# Altium PCB uz_mz_adapter.PcbDoc (part 1 of 2)
Units mm, origin at the board's own origin, x right, y up, seen from the top; angles counter-clockwise.
Board outline 188 x 149.6 mm, 4 copper layers (Top Layer, L02_GND, Signal, Bottom Layer), stack 0.849 mm thick; 41 components, 175 nets, 808 pads, 287 vias.
Unrouted connection lines stored in the file: 183.
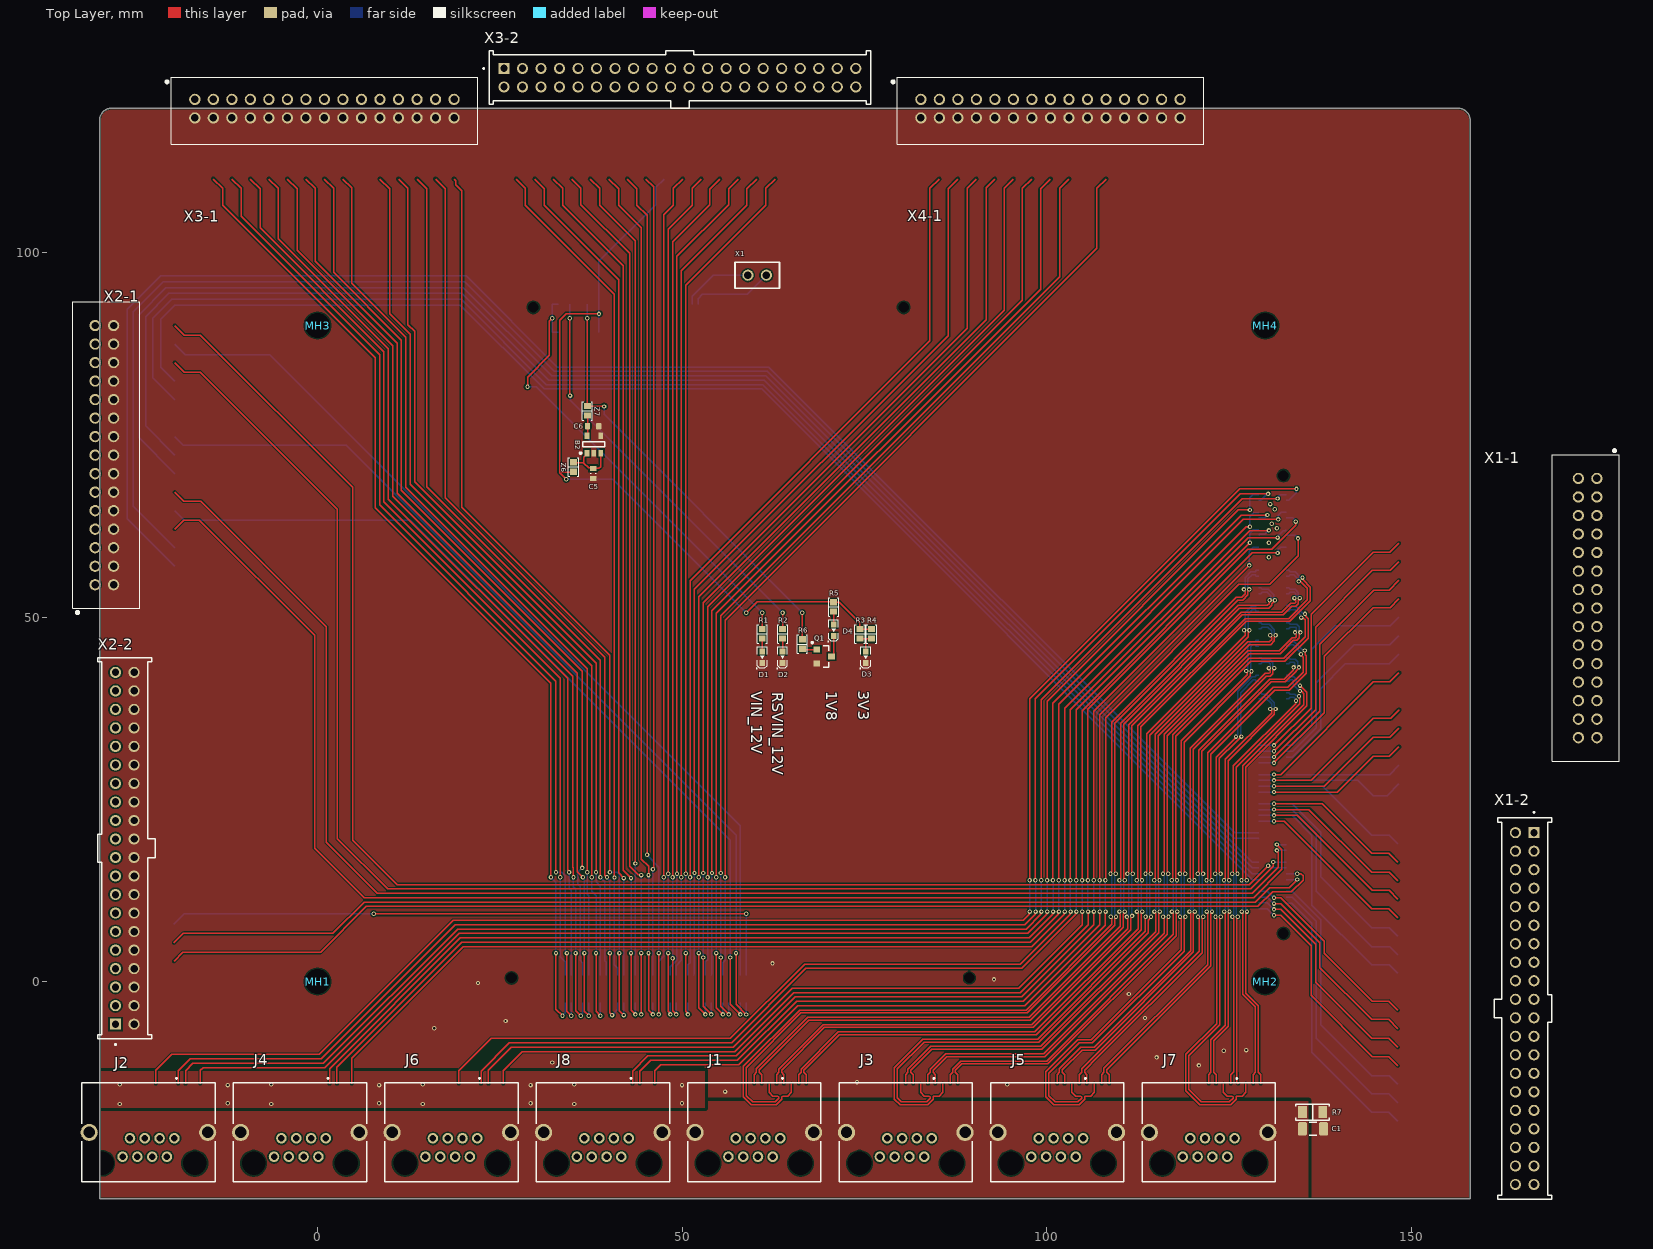
[diagram p0: Top Layer view]
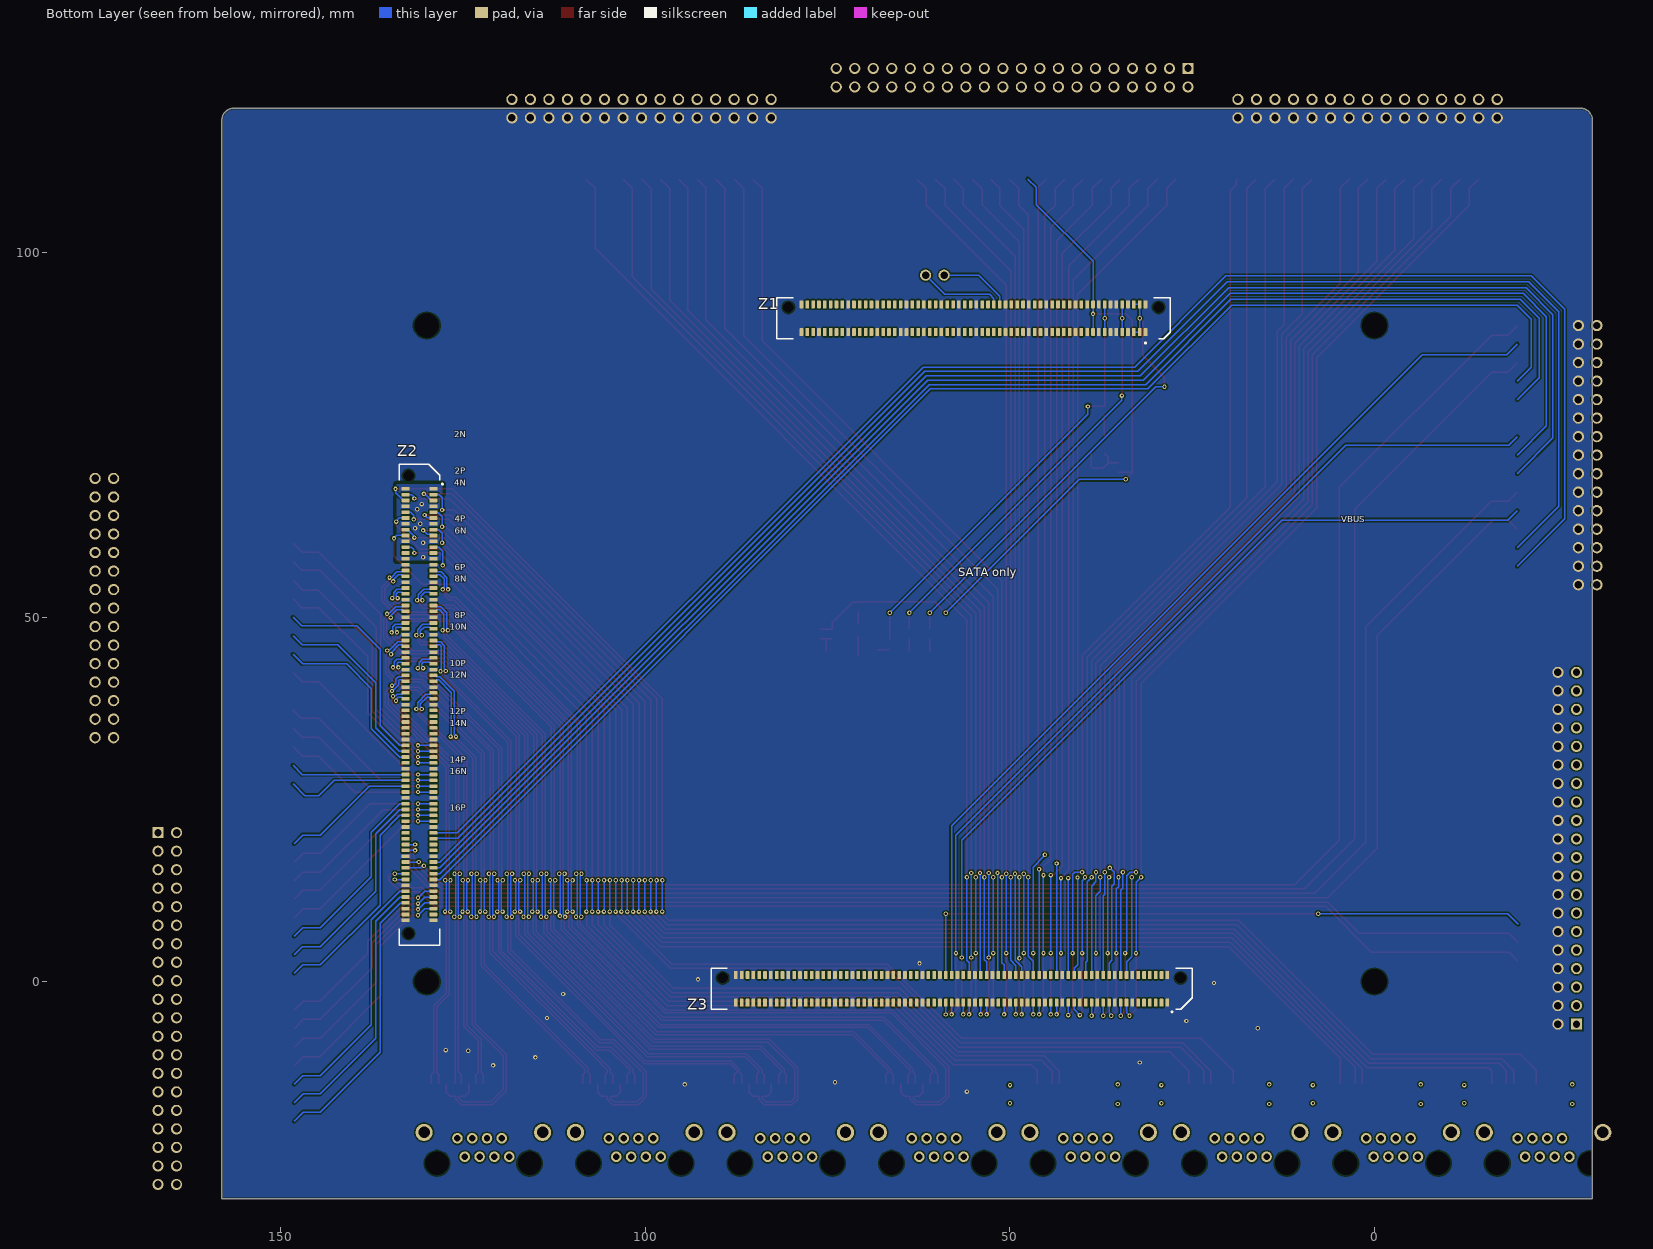
[diagram p1: Bottom Layer view, seen from below]
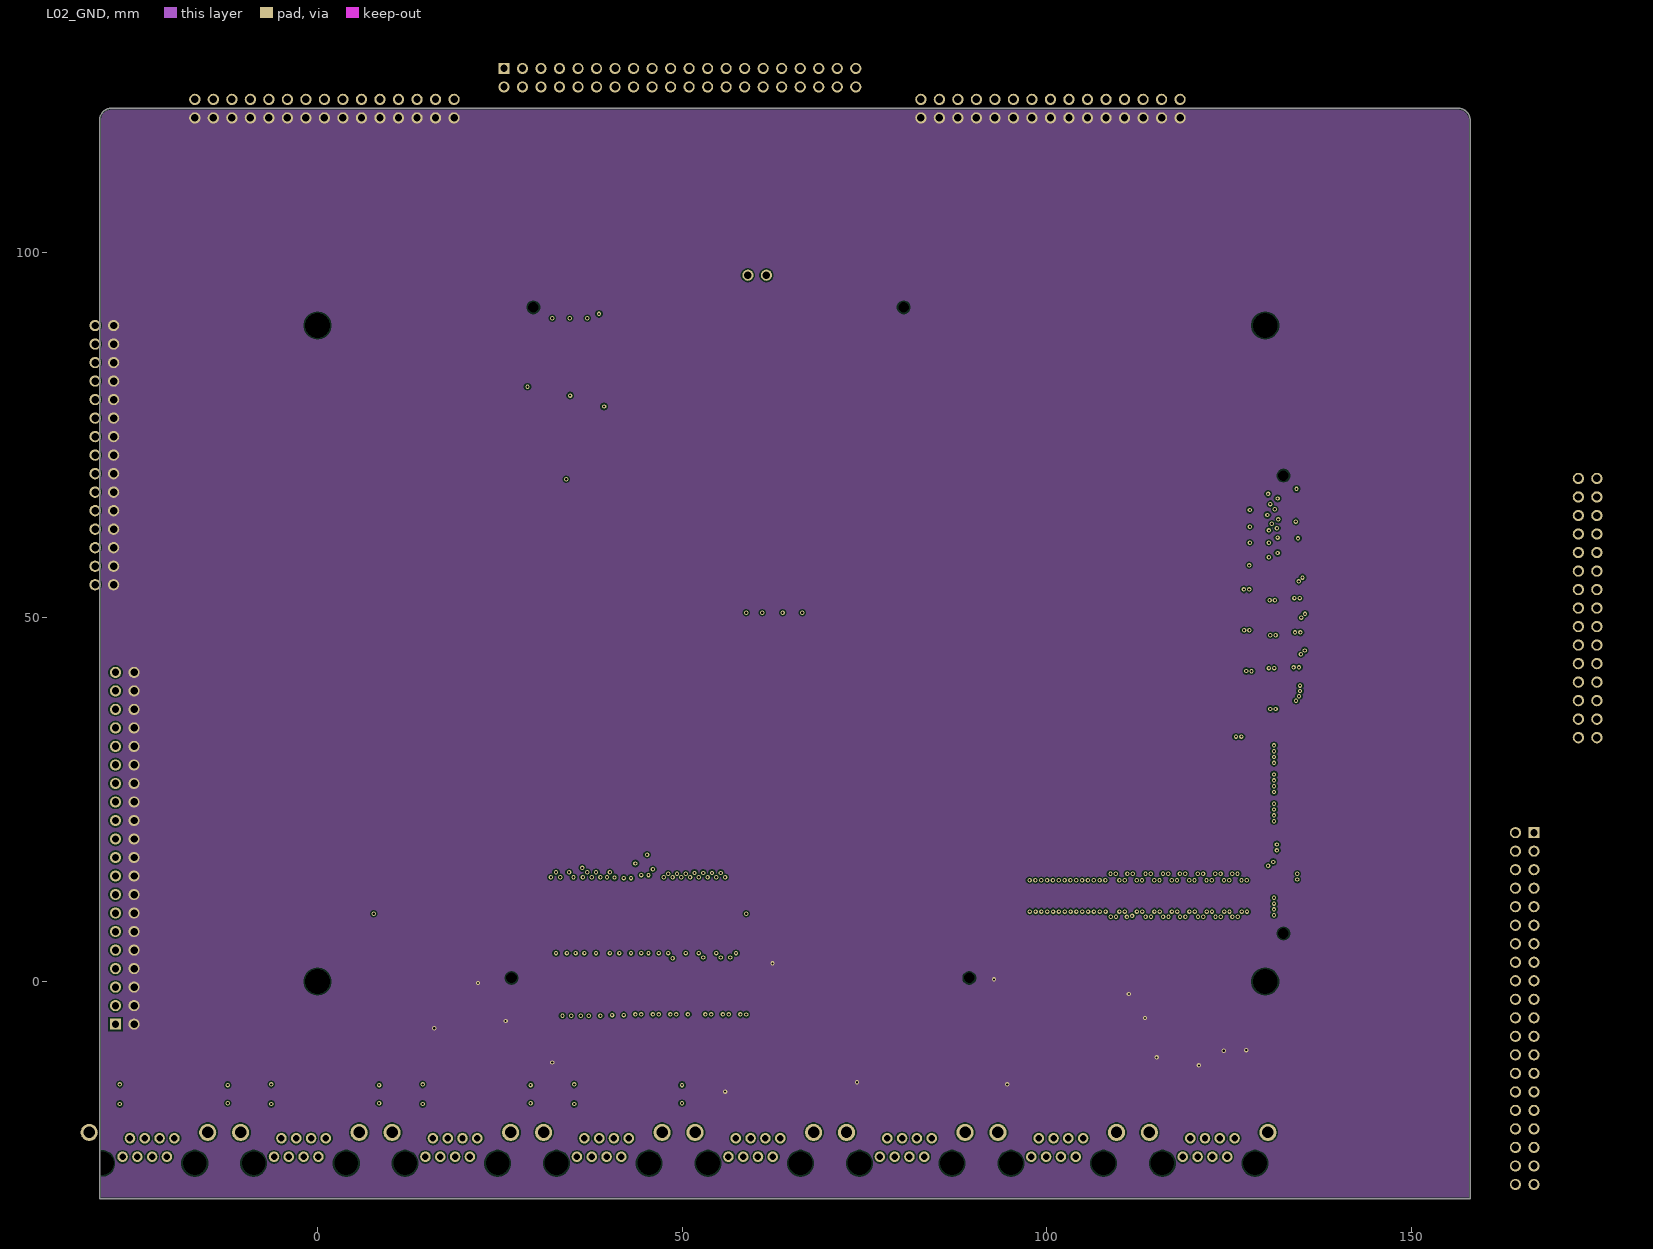
[diagram p2: L02_GND]
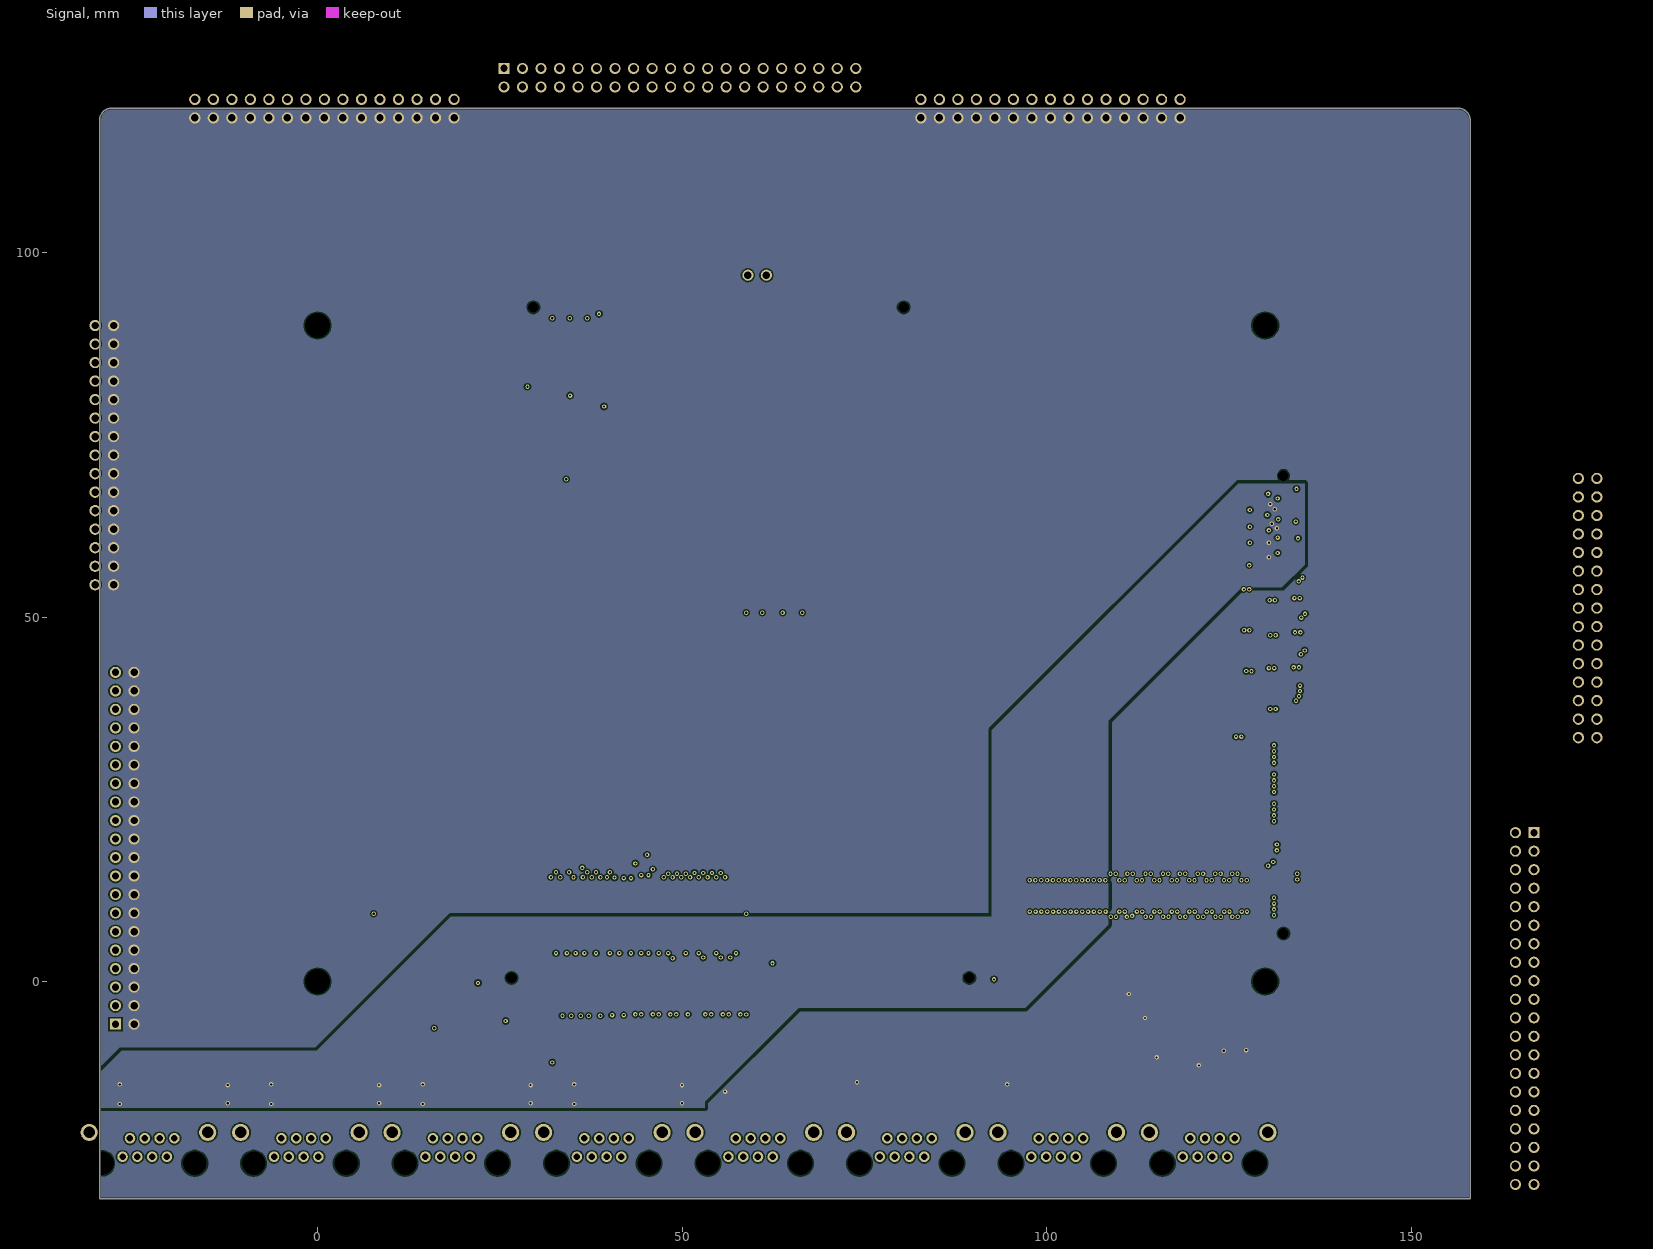
[diagram p3: Signal]
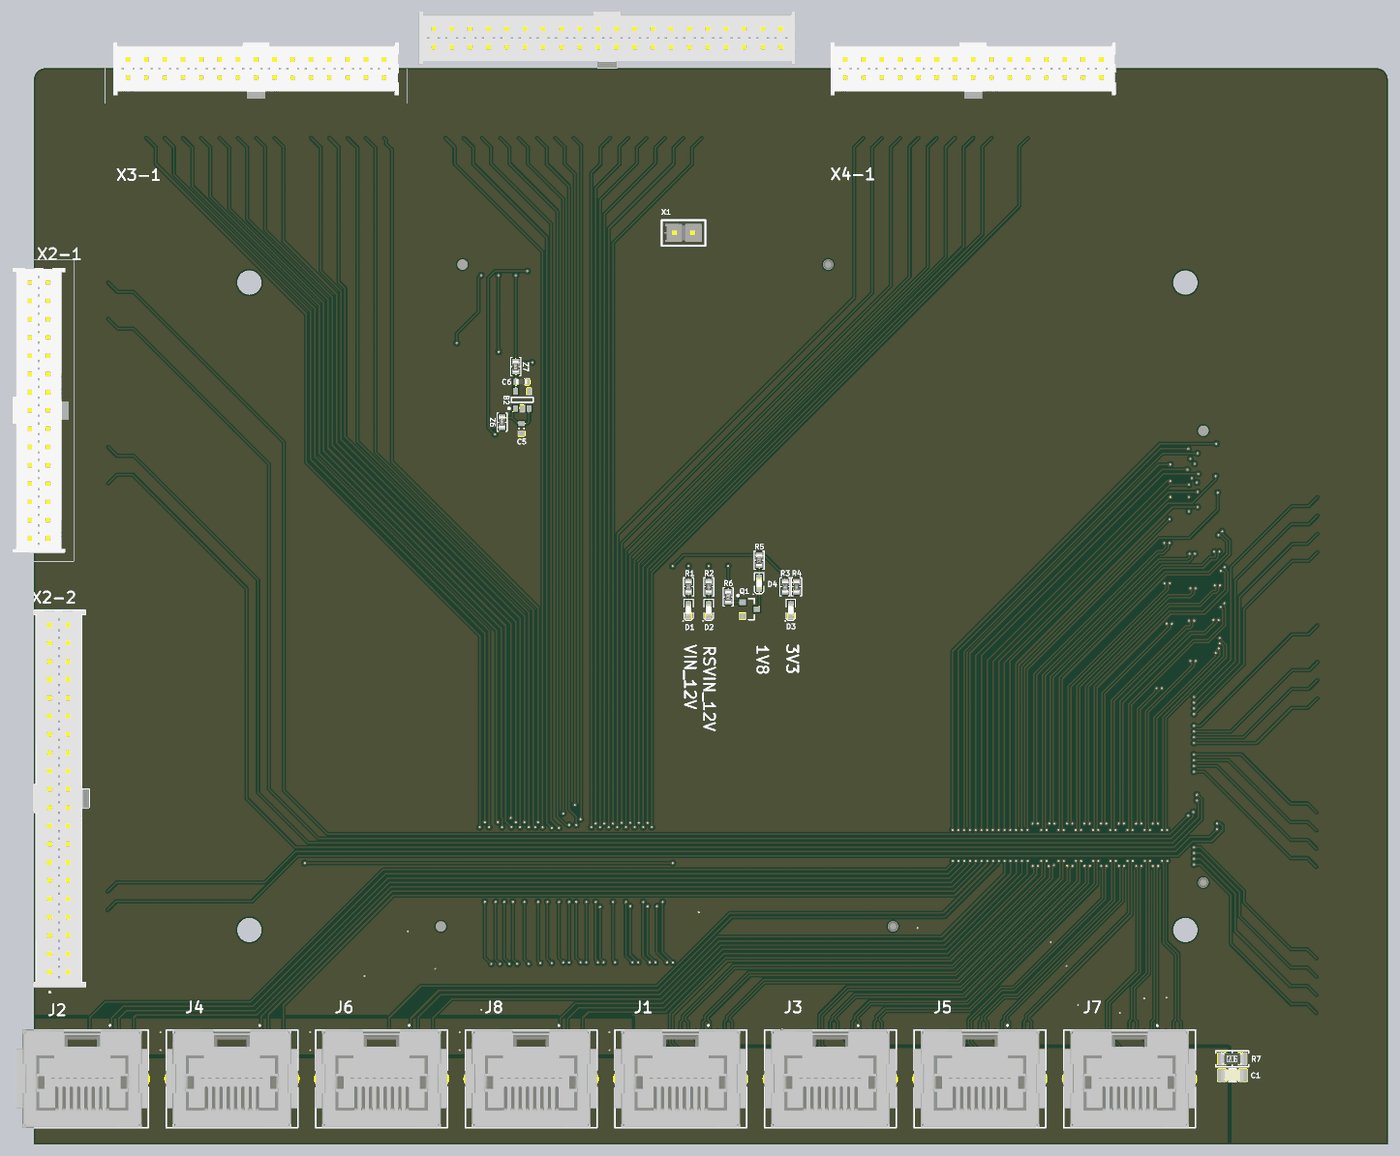
[diagram p5: 3D render of the assembled board from above, using the file's embedded part models]
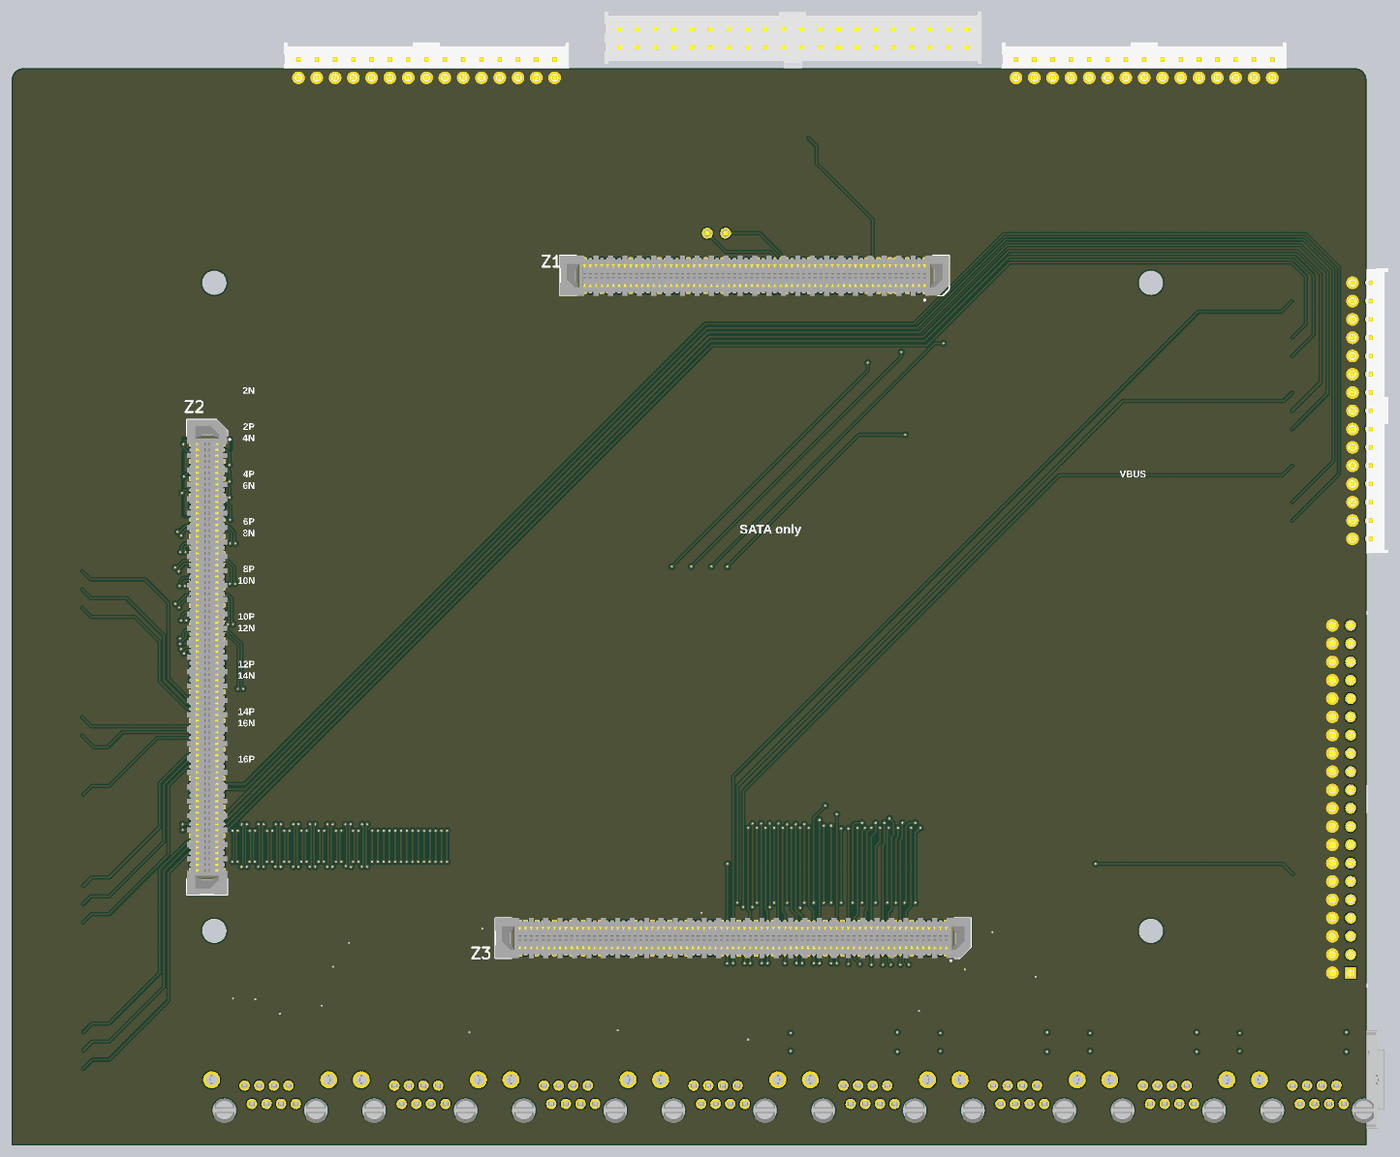
[diagram p6: 3D render of the assembled board from below, using the file's embedded part models]

## Layer stack, top to bottom
Top Solder: solder mask 0.02, Solder Resist, Dk 3.8
Top Layer: signal copper 0.035
Dielectric 1: prepreg 0.0994, FR-4, Dk 4.05
L02_GND: signal copper 0.0152
Dielectric 2: core 0.55, FR-4, Dk 4.5
Signal: signal copper 0.0152
Dielectric 3: prepreg 0.0994, FR-4, Dk 4.05
Bottom Layer: signal copper 0.035
Bottom Solder: solder mask 0.02, Solder Resist, Dk 3.8

## Board outline
-29.9,-29.8 -29.9,118.2 cw(c-28.3,118.2) -28.3,119.8 156.5,119.8 cw(c156.5,118.2) 158.1,118.2 158.1,-29.8

## Design rules (kind name [scope] priority, off if disabled: settings)
BoardOutlineClearance BoardOutlineClearanceOverlay [HasFootprint('DSUB1.385-2H9')] p1: gap=0 ignorepadtopadclearanceinfootprint=FALSE
BoardOutlineClearance [All] p2: gap=0.2 ignorepadtopadclearanceinfootprint=FALSE except(0.4: Arc-SplitBarrior Arc-SplitContinuation Track-SplitBarrior Track-SplitContinuation SMDPad-SplitBarrior SMDPad-SplitContinuation THPad-SplitBarrior THPad-SplitContinuation Via-SplitBarrior Via-SplitContinuation Fill-SplitBarrior Fill-SplitContinuation Poly-SplitBarrior Poly-SplitContinuation Region-SplitBarrior Region-SplitContinuation Text-SplitBarrior Text-SplitContinuation)
Clearance "Clearance Top Layer" [(OnLayer('Top Copper'))] p1: gap=0.2 ignorepadtopadclearanceinfootprint=TRUE except(0.15: Arc-SMDPad Track-SMDPad; 0.254: Arc-Text Track-Text SMDPad-Text THPad-Text Via-Text Fill-Text Poly-Text Region-Text Text-Text)
Clearance "Clearance Bot Layer" [(OnLayer('Bottom Copper'))] p2: gap=0.2 ignorepadtopadclearanceinfootprint=TRUE except(0.15: Arc-SMDPad Track-SMDPad; 0.254: Arc-Text Track-Text SMDPad-Text THPad-Text Via-Text Fill-Text Poly-Text Region-Text Text-Text)
Clearance Clearance_ZB2 [InNetClass('ZB2_Signals') vs InNetClass('All Nets')] p3: gap=0.2 ignorepadtopadclearanceinfootprint=TRUE except(0.089: Arc-SMDPad Track-SMDPad SMDPad-SMDPad; 0.127: Arc-Via Track-Via SMDPad-Via THPad-Via Via-Via; 0.254: Arc-Text Track-Text SMDPad-Text THPad-Text Via-Text Fill-Text Poly-Text Region-Text Text-Text; 0.5: Fill-Fill Fill-Poly Fill-Region Poly-Poly Poly-Region Region-Region)
Clearance [All] p4: gap=0.2 ignorepadtopadclearanceinfootprint=TRUE except(0.089: Arc-SMDPad Track-SMDPad SMDPad-SMDPad; 0.1: Arc-Arc Arc-Track Track-Track; 0.127: Arc-Via Track-Via SMDPad-Via THPad-Via Via-Via; 0.254: Arc-Text Track-Text SMDPad-Text THPad-Text Via-Text Fill-Text Poly-Text Region-Text Text-Text; 0.5: Fill-Fill Fill-Poly Fill-Region Poly-Poly Poly-Region Region-Region)
ComponentClearance ComponentClearance_Q2,Q3,U8 [InComponent('Q2*') Or InComponent('Q3*') Or InComponent('U8*')] p1: gap=0 collisioncheckmode=3 verticalgap=0.254 showdistances=FALSE
ComponentClearance [All] p2: gap=0.254 collisioncheckmode=3 verticalgap=0.254 showdistances=FALSE
DiffPairsRouting [All] p1: maxlimit=0.254 minlimit=0.2 mostfreqgap=0.2 toplayer_minwidth=0.09 toplayer_maxwidth=0.381 toplayer_prefwidth=0.2 midlayer1_minwidth=0.09 midlayer1_maxwidth=0.381 midlayer1_prefwidth=0.2 midlayer4_minwidth=0.09 midlayer4_maxwidth=0.381 midlayer4_prefwidth=0.2 bottomlayer_minwidth=0.09 bottomlayer_maxwidth=0.381 bottomlayer_prefwidth=0.2 maxuncoupledlength=12.7
HoleSize [All] p1: absolutevalues=TRUE maxlimit=6.3 minlimit=0.2 maxpercent=80.000 minpercent=20.000
MinimumAnnularRing [All] p1: minimumring=0.076
MinimumSolderMaskSliver [All] p1: minsoldermaskwidth=0.1
PolygonConnect HighCurrent_Direct [All] p1: connectstyle=Direct reliefconductorwidth=0.508 reliefentries=4 polygonreliefangle="90 Angle" airgapwidth=0.254
PolygonConnect [All] p2: connectstyle=Relief reliefconductorwidth=0.254 reliefentries=4 polygonreliefangle="90 Angle" airgapwidth=0.254
ReturnPath [All] p1: impedanceprofileid={16A8D577-BE97-4DEF-9C1B-C9D3CE01CF74} _gaplimit=0 _useantipads=TRUE
RoutingCorners [All] p1: cornerstyle=Round minsetback=2.54 maxsetback=2.54
RoutingVias [All] p1: holewidth=0.5 width=1 viastyle="Through Hole" minholewidth=0.2 minwidth=0.45 maxholewidth=1 maxwidth=2
SilkToSilkClearance [All] p1: silktosilkclearance=0.1
SilkToSolderMaskClearance [IsPad] p1: minsilkscreentomaskgap=0.15 clearancetoexposedcopper=TRUE
SolderMaskExpansion SolderMaskExpansion_Via [IsVia] p1: expansion=0.102 istentingtop=TRUE
SolderMaskExpansion [All] p2: expansion=0.102 istentingtop=FALSE
SupplyNets "Schematic Supply Nets_2" [InNet('24V_unused2')] p1: voltage=0.000
SupplyNets "Schematic Supply Nets_1" [InNet('3V3_unused1')] p2: voltage=0.000
SupplyNets "Schematic Supply Nets" [InNet('3V3_unused2')] p3: voltage=0.000
SupplyNets "Schematic Supply Nets_30" [InNet('5V_unused1')] p4: voltage=0.000
SupplyNets "Schematic Supply Nets_29" [InNet('24V_unused3')] p5: voltage=0.000
SupplyNets "Schematic Supply Nets_28" [InNet('24V_unused6')] p6: voltage=0.000
SupplyNets "Schematic Supply Nets_27" [InNet('24V_unused4')] p7: voltage=0.000
SupplyNets "Schematic Supply Nets_26" [InNet('24V_unused7')] p8: voltage=0.000
SupplyNets "Schematic Supply Nets_24" [InNet('24V_unused5')] p9: voltage=0.000
SupplyNets "Schematic Supply Nets_23" [InNet('5V_unused3')] p10: voltage=0.000
SupplyNets "Schematic Supply Nets_22" [InNet('24V_unused1')] p11: voltage=0.000
SupplyNets "Schematic Supply Nets_15" [InNet('GND-ETH')] p12: voltage=0.000
SupplyNets "Schematic Supply Nets_11" [InNet('5V_unused2')] p13: voltage=0.000
SupplyNets "Schematic Supply Nets_21" [InNet('1V8')] p14: voltage=0.000
SupplyNets "Schematic Supply Nets_19" [InNet('3V3')] p15: voltage=0.000
SupplyNets "Schematic Supply Nets_18" [InNet('RSVIN_12V')] p16: voltage=0.000
SupplyNets "Schematic Supply Nets_17" [InNet('GND')] p17: voltage=0.000
SupplyNets "Schematic Supply Nets_5" [InNet('VIN_12V')] p18: voltage=0.000
SupplyNets "Schematic Supply Nets_3" [InNet('AGND')] p19: voltage=0.000
UnRoutedNet [All] p1: checkbadconnections=TRUE
Width [All] p1: maxlimit=2.54 minlimit=0.089 preferedwidth=0.2 minimp=50.000000 maximp=50.000000 favimp=50.000000
22 further rules are at their usual default settings.
